# EAGLE board makey_makey_panel_v13 (EAGLE 6.5.0), part 2 of 4 (continued)
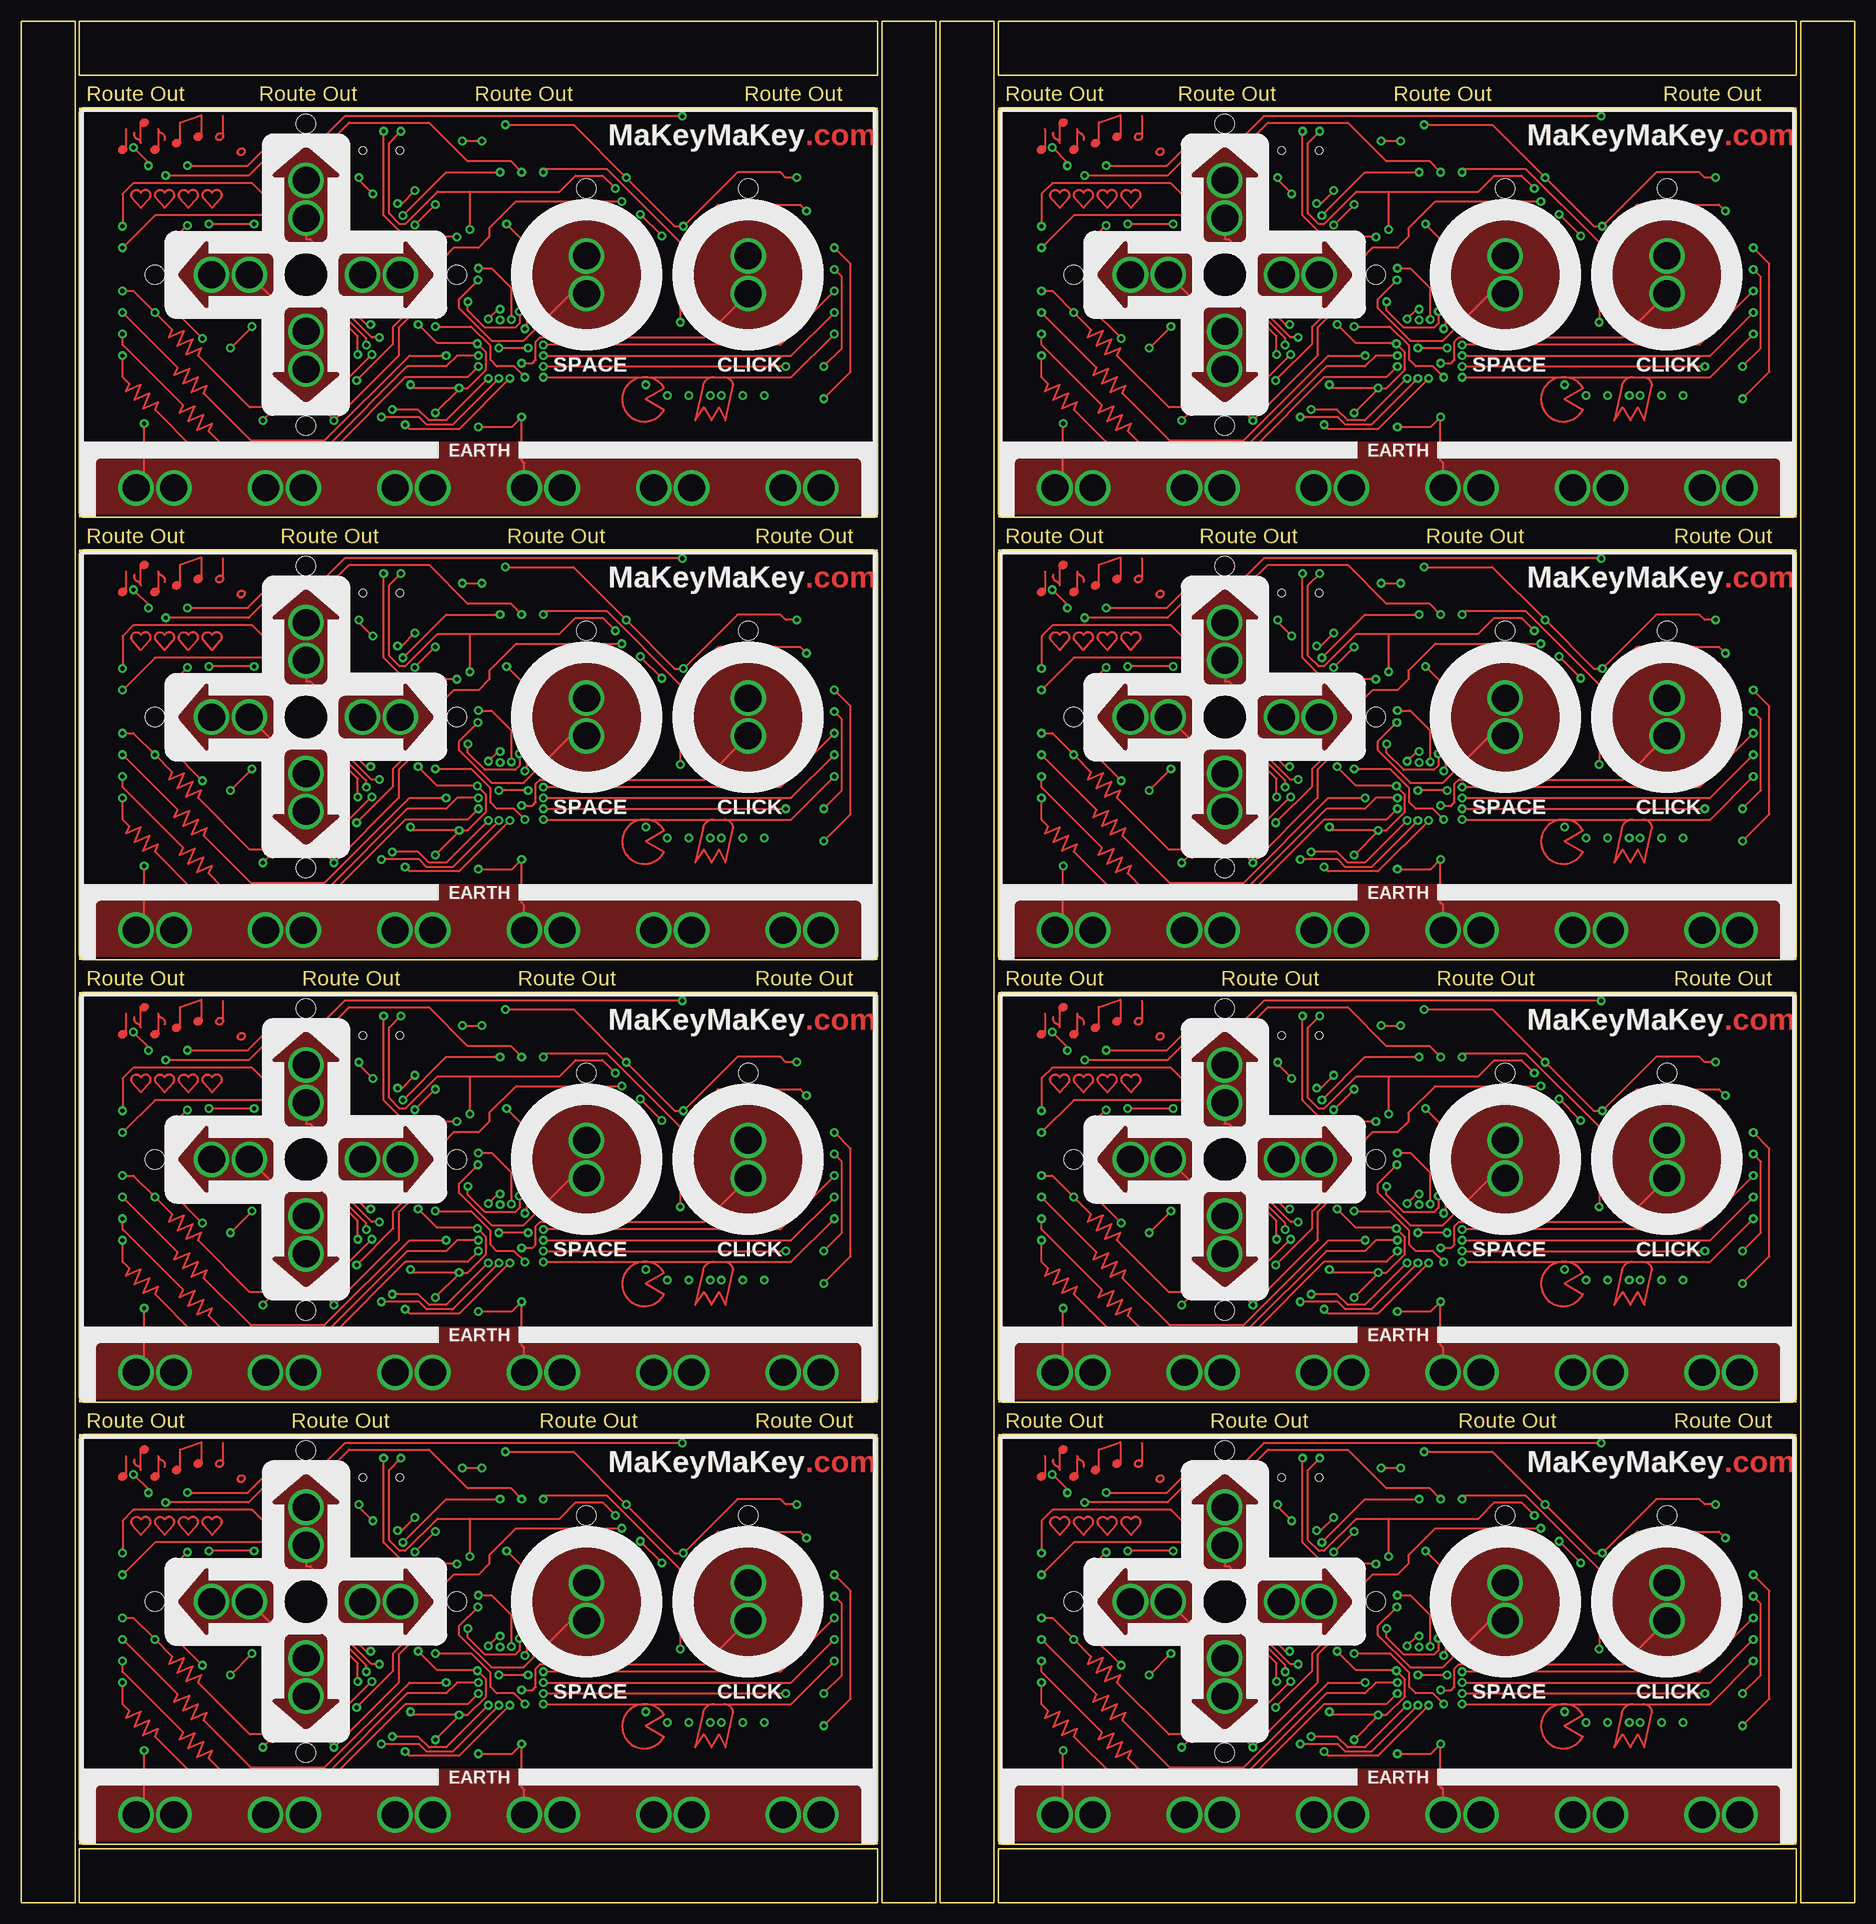
[diagram p0: board, top side]
## Tracks (layer width: path | path; a pad name or v marks a point on that pad's centre or on a via) (continued)
D29  (via drill 0.51)
  Top 0.254: v17.02,99.19 26.8,99.19 30.61,103 36.2,103 38.61,105.41 48.01,105.41 52.58,100.84 57.66,100.84 v58.93,99.57
  Bottom 0.254: U2.8 59.26,86.18 59.56,86.49 59.56,95.12 58.93,95.76 v58.93,99.57 58.93,102.11 59.44,102.62 60.83,102.62 60.95,102.73 LED21.C | LED19.C 11.19,95.01 11.94,95.76 13.59,95.76 v17.02,99.19
D30  (via drill 0.51)
  Top 0.254: v39.62,78.11 39.62,80.26 35.69,84.2 30.16,84.2 LEFT1.1@0
  Bottom 0.254: U2.32 54.46,72.49 54.23,72.26 45.47,72.26 v39.62,78.11 | R37.1 28.77,85.6 LEFT1.1@0
  pour Top (no thermals): 22.1,84.96 28.9,84.96 arc90 29.72,85.78 29.72,89.23 arc90 28.9,90.04 22.1,90.04 22.1,91.18 arc139 21.6,91.37 18.64,87.92 arc81 18.64,87.09 21.6,83.64 arc139 22.1,83.83
D31  (via drill 0.51)
  Top 0.254: v54.99,75.31 50.04,70.36 48.01,70.36 46.74,71.63 v43.69,71.63
  Bottom 0.254: U2.30 56.06,74.24 v54.99,75.31 | R53.1 v43.69,71.63
D32  (via drill 0.51)
  Top 0.254: v56.26,75.31 50.8,69.85 47.75,69.85 46.86,70.74 v42.42,70.74
  Bottom 0.254: U2.29 56.86,74.71 v56.26,75.31 | v42.42,70.74 41.53,70.74 41.15,70.36 R52.1
D33  (via drill 0.51)
  Top 0.254: v57.53,75.31 51.56,69.34 45.72,69.34 v45.21,69.85
  Bottom 0.254: U2.28 57.66,75.18 v57.53,75.31 | v45.21,69.85 45.21,71.63 40.45,76.39 DOWN1.1@2 | DOWN1.1@0 33.53,81.79 36.07,84.33 36.07,85.56 R36.1
  pour Top (no thermals): 36.07,76.07 36.07,82.88 arc90 35.25,83.69 31.8,83.69 arc90 30.99,82.88 30.99,76.07 29.85,76.07 arc139 29.67,75.57 33.11,72.62 arc81 33.94,72.62 37.39,75.57 arc139 37.21,76.07
D34  (via drill 0.51)
  Top 0.254: v58.93,77.09 60.2,77.09 60.58,77.47 60.58,79.63 61.09,80.14 80.45,80.14 CLICK1.1@0
  Bottom 0.254: U2.27 58.46,76.62 v58.93,77.09 | CLICK1.1@0 82.11,85.28 81.79,85.6 R33.1
  pour Top (no thermals): 79.25,87.5 arc-90 85.6,93.85 arc-90 91.95,87.5 arc-90 85.6,81.15 arc-90
D35  (via drill 0.51)
  Top 0.254: v94.49,72.9 97.66,76.07 97.66,88.77 v95.76,90.68
  Bottom 0.254: v94.49,72.9 90.68,69.09 57.15,69.09 56.39,69.85 56.39,71.63 55.26,72.76 U2.31 | 95.76,91.95 JP25.1-2 90.68,91.95 90.26,91.53 R51.1 | 95.76,91.95 JP25.1 | v95.76,90.68 95.76,91.95
D36
  Bottom 0.203: JP39.5 60.07,153.29
  Bottom 0.254: JP39.5 JP39.5-2 60.2,147.45 60.86,146.79 U3.10
D37
  Bottom 0.254: JP39.6 JP39.6-2 | JP39.6 62.74,152.91 | U3.11 61.66,146.75 62.74,147.83 JP39.6
D38  (via drill 0.51)
  Top 0.254: v58.67,135.25 58.67,133.86 58.17,133.35 54.61,133.35 52.58,135.38 v52.58,136.4 | v48.77,147.83 v46.35,145.41
  Bottom 0.254: U3.9 60.06,135.88 59.44,135.25 v58.67,135.25 | v52.58,136.4 51.94,136.4 51.69,136.65 47.56,136.65 RIGHT2.1@0 46.35,141.29 v46.35,145.41 | JP39.1 JP39.1-2 50.04,149.1 v48.77,147.83 | RIGHT2.1@2 36.7,139.57 36.07,140.21 36.07,141.44 R64.1
  pour Top (no thermals): 44.96,142.11 38.15,142.11 arc90 37.34,141.3 37.34,137.85 arc90 38.15,137.03 44.96,137.03 44.96,135.9 arc139 45.46,135.71 48.41,139.16 arc81 48.41,139.99 45.46,143.44 arc139 44.96,143.25
D39  (via drill 0.51)
  Top 0.254: v61.47,128.78 v90.04,128.78
  Bottom 0.254: U3.20 61.61,128.92 v61.47,128.78 | JP38.6-2 JP38.6 90.68,131.32 90.26,130.9 R73.1 90.26,128.99 v90.04,128.78
D40  (via drill 0.51)
  Top 0.254: 82.8,127.51 90.68,127.51 v95.76,132.59 | 81.53,127.51 arc77 80.26,126.49 79.38,122.43 80.39,123.95 81.28,122.43 82.17,123.95 82.93,122.43 83.82,126.49 arc90 82.8,127.51 | v61.47,127.51 73.41,127.51 | 73.41,127.51 73.53,127.51 | 73.53,127.51 82.8,127.51 | 73.41,127.51 arc243 75.69,123.7 73.53,124.97 75.69,126.24 arc60 73.53,127.51
  Bottom 0.254: U3.21 62.08,128.12 v61.47,127.51 | JP38.5 95.76,133.86 | 95.76,133.86 JP38.5-2 90.68,133.86 90.26,133.44 R72.1 | v95.76,132.59 95.76,133.86
D41  (via drill 0.51)
  Top 0.254: v61.47,130.05 90.68,130.05 v95.76,135.13
  Bottom 0.254: U3.19 61.8,129.72 v61.47,130.05 | v95.76,135.13 95.76,136.4 | 95.76,136.4 JP38.4-2 | 95.76,136.4 JP38.4 90.68,136.4 90.26,135.98 R71.1
D42  (via drill 0.51)
  Top 0.254: v95.76,137.67 89.41,131.32 v61.47,131.32
  Bottom 0.254: U3.18 62.27,130.52 v61.47,131.32 | 95.76,138.94 JP38.3-2 90.68,138.94 90.26,138.52 R70.1 | 95.76,138.94 JP38.3 | v95.76,137.67 95.76,138.94
D43  (via drill 0.51)
  Top 0.254: v94.49,128.78 96.65,130.94 96.65,139.32 v95.76,140.21
  Bottom 0.254: 95.76,141.48 JP38.2 90.68,141.48 90.26,141.06 R69.1 | 95.76,141.48 JP38.2-2 | v94.49,128.78 88.14,122.43 62.61,122.43 60.83,124.21 60.43,124.21 60.06,124.57 U3.25 | v95.76,140.21 95.76,141.48
D44  (via drill 0.51)
  Top 0.254: v53.78,138.94 51.56,136.72 51.56,135.64 55.37,131.83 59.18,131.83 64.71,137.35 SPACE2.1@0
  Bottom 0.254: U3.1 53.66,138.81 v53.78,138.94 | SPACE2.1@0 70.04,137.35 70.36,137.67 R63.1
  pour Top (no thermals): 60.2,139.57 arc-90 66.55,145.92 arc-90 72.9,139.57 arc-90 66.55,133.22 arc-90
D45  (via drill 0.51)
  Top 0.254: v57.72,134.3 57.72,137.99 55.37,140.34 v53.85,140.34
  Bottom 0.254: U3.12 60.39,135.32 59.37,134.3 v57.72,134.3 | v53.85,140.34 R83.1
D46  (via drill 0.51)
  Top 0.254: v59.31,127.51 58.04,128.78 56.01,128.78 55.24,129.54 55.24,131.19 52.96,133.48 v48.77,133.48 | v41.15,133.73 40.64,133.73 36.96,137.41 36.96,140.84 34.04,143.76 33.53,143.76 UP2.1@2
  Bottom 0.254: U3.26 59.26,127.46 v59.31,127.51 | v48.77,133.48 48.01,132.72 44.45,132.72 43.43,133.73 v41.15,133.73 | UP2.1@2 33.53,145.29 30.99,142.75 30.99,141.52 R67.1
  pour Top (no thermals): 30.99,151 30.99,144.2 arc90 31.8,143.38 35.25,143.38 arc90 36.07,144.2 36.07,151 37.21,151 arc139 37.39,151.5 33.94,154.46 arc81 33.11,154.46 29.67,151.5 arc139 29.85,151
D47  (via drill 0.51)
  Top 0.254: v17.02,151.26 26.8,151.26 30.61,155.07 36.2,155.07 38.61,157.48 48.01,157.48 52.58,152.91 57.66,152.91 v58.93,151.64
  Bottom 0.254: U3.8 59.26,138.25 59.56,138.56 59.56,147.19 58.93,147.83 v58.93,151.64 58.93,154.18 59.44,154.69 60.83,154.69 60.95,154.8 LED32.C | LED30.C 11.19,147.08 11.94,147.83 13.59,147.83 v17.02,151.26
D48  (via drill 0.51)
  Top 0.254: v39.62,130.18 39.62,132.33 35.69,136.27 30.16,136.27 LEFT2.1@0
  Bottom 0.254: U3.32 54.46,124.56 54.23,124.33 45.47,124.33 v39.62,130.18 | R66.1 28.77,137.67 LEFT2.1@0
  pour Top (no thermals): 22.1,137.03 28.9,137.03 arc90 29.72,137.85 29.72,141.3 arc90 28.9,142.11 22.1,142.11 22.1,143.25 arc139 21.6,143.44 18.64,139.99 arc81 18.64,139.16 21.6,135.71 arc139 22.1,135.9
D49  (via drill 0.51)
  Top 0.254: v54.99,127.38 50.04,122.43 48.01,122.43 46.74,123.7 v43.69,123.7
  Bottom 0.254: U3.30 56.06,126.31 v54.99,127.38 | R82.1 v43.69,123.7
D50  (via drill 0.51)
  Top 0.254: v56.26,127.38 50.8,121.92 47.75,121.92 46.86,122.81 v42.42,122.81
  Bottom 0.254: U3.29 56.86,126.78 v56.26,127.38 | v42.42,122.81 41.53,122.81 41.15,122.43 R81.1
D51  (via drill 0.51)
  Top 0.254: v57.53,127.38 51.56,121.41 45.72,121.41 v45.21,121.92
  Bottom 0.254: U3.28 57.66,127.25 v57.53,127.38 | v45.21,121.92 45.21,123.7 40.45,128.46 DOWN2.1@2 | DOWN2.1@0 33.53,133.86 36.07,136.4 36.07,137.63 R65.1
  pour Top (no thermals): 36.07,128.14 36.07,134.95 arc90 35.25,135.76 31.8,135.76 arc90 30.99,134.95 30.99,128.14 29.85,128.14 arc139 29.67,127.64 33.11,124.69 arc81 33.94,124.69 37.39,127.64 arc139 37.21,128.14
D52  (via drill 0.51)
  Top 0.254: v58.93,129.16 60.2,129.16 60.58,129.54 60.58,131.7 61.09,132.21 80.45,132.21 CLICK2.1@0
  Bottom 0.254: U3.27 58.46,128.69 v58.93,129.16 | CLICK2.1@0 82.11,137.35 81.79,137.67 R62.1
  pour Top (no thermals): 79.25,139.57 arc-90 85.6,145.92 arc-90 91.95,139.57 arc-90 85.6,133.22 arc-90
D53  (via drill 0.51)
  Top 0.254: v94.49,124.97 97.66,128.14 97.66,140.84 v95.76,142.75
  Bottom 0.254: v94.49,124.97 90.68,121.16 57.15,121.16 56.39,121.92 56.39,123.7 55.26,124.83 U3.31 | 95.76,144.02 JP38.1-2 90.68,144.02 90.26,143.6 R80.1 | 95.76,144.02 JP38.1 | v95.76,142.75 95.76,144.02
D54
  Bottom 0.203: JP52.5 60.07,205.36
  Bottom 0.254: JP52.5 JP52.5-2 60.2,199.52 60.86,198.86 U4.10
D55
  Bottom 0.254: JP52.6 JP52.6-2 | JP52.6 62.74,204.98 | U4.11 61.66,198.82 62.74,199.9 JP52.6
D56  (via drill 0.51)
  Top 0.254: v58.67,187.32 58.67,185.93 58.17,185.42 54.61,185.42 52.58,187.45 v52.58,188.47 | v48.77,199.9 v46.35,197.49
  Bottom 0.254: U4.9 60.06,187.95 59.44,187.32 v58.67,187.32 | v52.58,188.47 51.94,188.47 51.69,188.72 47.56,188.72 RIGHT3.1@0 46.35,193.36 v46.35,197.49 | JP52.1 JP52.1-2 50.04,201.17 v48.77,199.9 | RIGHT3.1@2 36.7,191.64 36.07,192.28 36.07,193.51 R93.1
  pour Top (no thermals): 44.96,194.18 38.15,194.18 arc90 37.34,193.37 37.34,189.92 arc90 38.15,189.1 44.96,189.1 44.96,187.97 arc139 45.46,187.78 48.41,191.23 arc81 48.41,192.06 45.46,195.51 arc139 44.96,195.32
D57  (via drill 0.51)
  Top 0.254: v61.47,180.85 v90.04,180.85
  Bottom 0.254: U4.20 61.61,180.99 v61.47,180.85 | JP51.6-2 JP51.6 90.68,183.39 90.26,182.97 R102.1 90.26,181.06 v90.04,180.85
D58  (via drill 0.51)
  Top 0.254: 82.8,179.58 90.68,179.58 v95.76,184.66 | 81.53,179.58 arc77 80.26,178.56 79.38,174.5 80.39,176.02 81.28,174.5 82.17,176.02 82.93,174.5 83.82,178.56 arc90 82.8,179.58 | v61.47,179.58 73.41,179.58 | 73.41,179.58 73.53,179.58 | 73.53,179.58 82.8,179.58 | 73.41,179.58 arc243 75.69,175.77 73.53,177.04 75.69,178.31 arc60 73.53,179.58
  Bottom 0.254: U4.21 62.08,180.19 v61.47,179.58 | JP51.5 95.76,185.93 | 95.76,185.93 JP51.5-2 90.68,185.93 90.26,185.51 R101.1 | v95.76,184.66 95.76,185.93
D59  (via drill 0.51)
  Top 0.254: v61.47,182.12 90.68,182.12 v95.76,187.2
  Bottom 0.254: U4.19 61.8,181.79 v61.47,182.12 | v95.76,187.2 95.76,188.47 | 95.76,188.47 JP51.4-2 | 95.76,188.47 JP51.4 90.68,188.47 90.26,188.05 R100.1
D60  (via drill 0.51)
  Top 0.254: v95.76,189.74 89.41,183.39 v61.47,183.39
  Bottom 0.254: U4.18 62.27,182.59 v61.47,183.39 | 95.76,191.01 JP51.3-2 90.68,191.01 90.26,190.59 R99.1 | 95.76,191.01 JP51.3 | v95.76,189.74 95.76,191.01
D61  (via drill 0.51)
  Top 0.254: v94.49,180.85 96.65,183.01 96.65,191.39 v95.76,192.28
  Bottom 0.254: 95.76,193.55 JP51.2 90.68,193.55 90.26,193.13 R98.1 | 95.76,193.55 JP51.2-2 | v94.49,180.85 88.14,174.5 62.61,174.5 60.83,176.28 60.43,176.28 60.06,176.64 U4.25 | v95.76,192.28 95.76,193.55
D62  (via drill 0.51)
  Top 0.254: v53.78,191.01 51.56,188.78 51.56,187.71 55.37,183.9 59.18,183.9 64.71,189.42 SPACE3.1@0
  Bottom 0.254: U4.1 53.66,190.88 v53.78,191.01 | SPACE3.1@0 70.04,189.42 70.36,189.74 R92.1
  pour Top (no thermals): 60.2,191.64 arc-90 66.55,197.99 arc-90 72.9,191.64 arc-90 66.55,185.29 arc-90
D63  (via drill 0.51)
  Top 0.254: v57.72,186.37 57.72,190.06 55.37,192.41 v53.85,192.41
  Bottom 0.254: U4.12 60.39,187.39 59.37,186.37 v57.72,186.37 | v53.85,192.41 R112.1
D64  (via drill 0.51)
  Top 0.254: v59.31,179.58 58.04,180.85 56.01,180.85 55.24,181.61 55.24,183.26 52.96,185.55 v48.77,185.55 | v41.15,185.8 40.64,185.8 36.96,189.48 36.96,192.91 34.04,195.83 33.53,195.83 UP3.1@2
  Bottom 0.254: U4.26 59.26,179.53 v59.31,179.58 | v48.77,185.55 48.01,184.78 44.45,184.78 43.43,185.8 v41.15,185.8 | UP3.1@2 33.53,197.36 30.99,194.82 30.99,193.59 R96.1
  pour Top (no thermals): 30.99,203.07 30.99,196.27 arc90 31.8,195.45 35.25,195.45 arc90 36.07,196.27 36.07,203.07 37.21,203.07 arc139 37.39,203.57 33.94,206.53 arc81 33.11,206.53 29.67,203.57 arc139 29.85,203.07
D65  (via drill 0.51)
  Top 0.254: v17.02,203.33 26.8,203.33 30.61,207.14 36.2,207.14 38.61,209.55 48.01,209.55 52.58,204.98 57.66,204.98 v58.93,203.71
  Bottom 0.254: U4.8 59.26,190.32 59.56,190.63 59.56,199.26 58.93,199.9 v58.93,203.71 58.93,206.25 59.44,206.76 60.83,206.76 60.95,206.87 LED43.C | LED41.C 11.19,199.15 11.94,199.9 13.59,199.9 v17.02,203.33
D66  (via drill 0.51)
  Top 0.254: v39.62,182.25 39.62,184.4 35.69,188.34 30.16,188.34 LEFT3.1@0
  Bottom 0.254: U4.32 54.46,176.63 54.23,176.4 45.47,176.4 v39.62,182.25 | R95.1 28.77,189.74 LEFT3.1@0
  pour Top (no thermals): 22.1,189.1 28.9,189.1 arc90 29.72,189.92 29.72,193.37 arc90 28.9,194.18 22.1,194.18 22.1,195.32 arc139 21.6,195.51 18.64,192.06 arc81 18.64,191.23 21.6,187.78 arc139 22.1,187.97
D67  (via drill 0.51)
  Top 0.254: v54.99,179.45 50.04,174.5 48.01,174.5 46.74,175.77 v43.69,175.77
  Bottom 0.254: U4.30 56.06,178.38 v54.99,179.45 | R111.1 v43.69,175.77
D68  (via drill 0.51)
  Top 0.254: v56.26,179.45 50.8,173.99 47.75,173.99 46.86,174.88 v42.42,174.88
  Bottom 0.254: U4.29 56.86,178.85 v56.26,179.45 | v42.42,174.88 41.53,174.88 41.15,174.5 R110.1
D69  (via drill 0.51)
  Top 0.254: v57.53,179.45 51.56,173.48 45.72,173.48 v45.21,173.99
  Bottom 0.254: U4.28 57.66,179.32 v57.53,179.45 | v45.21,173.99 45.21,175.77 40.45,180.53 DOWN3.1@2 | DOWN3.1@0 33.53,185.93 36.07,188.47 36.07,189.7 R94.1
  pour Top (no thermals): 36.07,180.21 36.07,187.02 arc90 35.25,187.83 31.8,187.83 arc90 30.99,187.02 30.99,180.21 29.85,180.21 arc139 29.67,179.71 33.11,176.76 arc81 33.94,176.76 37.39,179.71 arc139 37.21,180.21
D70  (via drill 0.51)
  Top 0.254: v58.93,181.23 60.2,181.23 60.58,181.61 60.58,183.77 61.09,184.28 80.45,184.28 CLICK3.1@0
  Bottom 0.254: U4.27 58.46,180.76 v58.93,181.23 | CLICK3.1@0 82.11,189.42 81.79,189.74 R91.1
  pour Top (no thermals): 79.25,191.64 arc-90 85.6,197.99 arc-90 91.95,191.64 arc-90 85.6,185.29 arc-90
D71  (via drill 0.51)
  Top 0.254: v94.49,177.04 97.66,180.21 97.66,192.91 v95.76,194.82
  Bottom 0.254: v94.49,177.04 90.68,173.23 57.15,173.23 56.39,173.99 56.39,175.77 55.26,176.9 U4.31 | 95.76,196.09 JP51.1-2 90.68,196.09 90.26,195.67 R109.1 | 95.76,196.09 JP51.1 | v95.76,194.82 95.76,196.09
D72
  Bottom 0.203: JP65.5 168.28,49.15
  Bottom 0.254: JP65.5 JP65.5-2 168.4,43.31 169.06,42.65 U5.10
D73
  Bottom 0.254: JP65.6 JP65.6-2 | JP65.6 170.94,48.77 | U5.11 169.86,42.61 170.94,43.69 JP65.6
D74  (via drill 0.51)
  Top 0.254: v166.88,31.11 166.88,29.72 166.37,29.21 162.81,29.21 160.78,31.24 v160.78,32.26 | v156.97,43.69 v154.56,41.27
  Bottom 0.254: U5.9 168.26,31.74 167.64,31.11 v166.88,31.11 | v160.78,32.26 160.15,32.26 159.89,32.51 155.77,32.51 RIGHT4.1@0 154.56,37.15 v154.56,41.27 | JP65.1 JP65.1-2 158.24,44.96 v156.97,43.69 | RIGHT4.1@2 144.91,35.43 144.27,36.07 144.27,37.3 R122.1
  pour Top (no thermals): 153.16,37.97 146.36,37.97 arc90 145.54,37.16 145.54,33.71 arc90 146.36,32.89 153.16,32.89 153.16,31.76 arc139 153.66,31.57 156.62,35.02 arc81 156.62,35.85 153.66,39.3 arc139 153.16,39.11
D75  (via drill 0.51)
  Top 0.254: v169.67,24.64 v198.25,24.64
  Bottom 0.254: U5.20 169.81,24.78 v169.67,24.64 | JP64.6-2 JP64.6 198.88,27.18 198.46,26.76 R131.1 198.46,24.85 v198.25,24.64
D76  (via drill 0.51)
  Top 0.254: 191.01,23.37 198.88,23.37 v203.96,28.45 | 189.74,23.37 arc77 188.47,22.35 187.58,18.29 188.59,19.81 189.48,18.29 190.37,19.81 191.13,18.29 192.02,22.35 arc90 191.01,23.37 | v169.67,23.37 181.61,23.37 | 181.61,23.37 181.74,23.37 | 181.74,23.37 191.01,23.37 | 181.61,23.37 arc243 183.9,19.56 181.74,20.83 183.9,22.1 arc60 181.74,23.37
  Bottom 0.254: U5.21 170.28,23.98 v169.67,23.37 | JP64.5 203.96,29.72 | 203.96,29.72 JP64.5-2 198.88,29.72 198.46,29.3 R130.1 | v203.96,28.45 203.96,29.72
D77  (via drill 0.51)
  Top 0.254: v169.67,25.91 198.88,25.91 v203.96,30.99
  Bottom 0.254: U5.19 170,25.58 v169.67,25.91 | v203.96,30.99 203.96,32.26 | 203.96,32.26 JP64.4-2 | 203.96,32.26 JP64.4 198.88,32.26 198.46,31.84 R129.1
D78  (via drill 0.51)
  Top 0.254: v203.96,33.53 197.61,27.18 v169.67,27.18
  Bottom 0.254: U5.18 170.47,26.38 v169.67,27.18 | 203.96,34.8 JP64.3-2 198.88,34.8 198.46,34.38 R128.1 | 203.96,34.8 JP64.3 | v203.96,33.53 203.96,34.8
D79  (via drill 0.51)
  Top 0.254: v202.69,24.64 204.85,26.8 204.85,35.18 v203.96,36.07
  Bottom 0.254: 203.96,37.34 JP64.2 198.88,37.34 198.46,36.92 R127.1 | 203.96,37.34 JP64.2-2 | v202.69,24.64 196.34,18.29 170.81,18.29 169.04,20.07 168.63,20.07 168.26,20.43 U5.25 | v203.96,36.07 203.96,37.34
D80  (via drill 0.51)
  Top 0.254: v161.99,34.8 159.77,32.58 159.77,31.5 163.58,27.69 167.39,27.69 172.91,33.21 SPACE4.1@0
  Bottom 0.254: U5.1 161.86,34.67 v161.99,34.8 | SPACE4.1@0 178.24,33.21 178.56,33.53 R121.1
  pour Top (no thermals): 168.4,35.43 arc-90 174.75,41.78 arc-90 181.1,35.43 arc-90 174.75,29.08 arc-90
D81  (via drill 0.51)
  Top 0.254: v165.93,30.16 165.93,33.84 163.58,36.2 v162.05,36.2
  Bottom 0.254: U5.12 168.59,31.18 167.58,30.16 v165.93,30.16 | v162.05,36.2 R141.1
D82  (via drill 0.51)
  Top 0.254: v167.51,23.37 166.24,24.64 164.21,24.64 163.45,25.4 163.45,27.05 161.16,29.34 v156.97,29.34 | v149.35,29.59 148.84,29.59 145.16,33.27 145.16,36.7 142.24,39.62 141.73,39.62 UP4.1@2
  Bottom 0.254: U5.26 167.46,23.32 v167.51,23.37 | v156.97,29.34 156.21,28.57 152.65,28.57 151.64,29.59 v149.35,29.59 | UP4.1@2 141.73,41.15 139.19,38.61 139.19,37.38 R125.1
  pour Top (no thermals): 139.19,46.86 139.19,40.06 arc90 140.01,39.24 143.46,39.24 arc90 144.27,40.06 144.27,46.86 145.41,46.86 arc139 145.59,47.36 142.15,50.32 arc81 141.32,50.32 137.87,47.36 arc139 138.05,46.86
D83  (via drill 0.51)
  Top 0.254: v125.22,47.12 135,47.12 138.81,50.93 144.4,50.93 146.81,53.34 156.21,53.34 160.78,48.77 165.86,48.77 v167.13,47.5
  Bottom 0.254: U5.8 167.46,34.11 167.77,34.42 167.77,43.05 167.13,43.69 v167.13,47.5 167.13,50.04 167.64,50.55 169.04,50.55 169.15,50.66 LED54.C | LED52.C 119.39,42.94 120.14,43.69 121.79,43.69 v125.22,47.12
D84  (via drill 0.51)
  Top 0.254: v147.83,26.04 147.83,28.19 143.89,32.13 138.37,32.13 LEFT4.1@0
  Bottom 0.254: U5.32 162.66,20.42 162.43,20.19 153.67,20.19 v147.83,26.04 | R124.1 136.97,33.53 LEFT4.1@0
  pour Top (no thermals): 130.3,32.89 137.11,32.89 arc90 137.92,33.71 137.92,37.16 arc90 137.11,37.97 130.3,37.97 130.3,39.11 arc139 129.8,39.3 126.85,35.85 arc81 126.85,35.02 129.8,31.57 arc139 130.3,31.76
D85  (via drill 0.51)
  Top 0.254: v163.19,23.24 158.24,18.29 156.21,18.29 154.94,19.56 v151.89,19.56
  Bottom 0.254: U5.30 164.26,22.17 v163.19,23.24 | R140.1 v151.89,19.56
D86  (via drill 0.51)
  Top 0.254: v164.47,23.24 159,17.78 155.96,17.78 155.07,18.67 v150.62,18.67
  Bottom 0.254: U5.29 165.06,22.64 v164.47,23.24 | v150.62,18.67 149.73,18.67 149.35,18.29 R139.1
D87  (via drill 0.51)
  Top 0.254: v165.74,23.24 159.77,17.27 153.92,17.27 v153.42,17.78
  Bottom 0.254: U5.28 165.86,23.11 v165.74,23.24 | v153.42,17.78 153.42,19.56 148.65,24.32 DOWN4.1@2 | DOWN4.1@0 141.73,29.72 144.27,32.26 144.27,33.49 R123.1
  pour Top (no thermals): 144.27,24 144.27,30.81 arc90 143.46,31.62 140.01,31.62 arc90 139.19,30.81 139.19,24 138.05,24 arc139 137.87,23.5 141.32,20.55 arc81 142.15,20.55 145.59,23.5 arc139 145.41,24
D88  (via drill 0.51)
  Top 0.254: v167.13,25.02 168.4,25.02 168.78,25.4 168.78,27.56 169.29,28.07 188.66,28.07 CLICK4.1@0
  Bottom 0.254: U5.27 166.66,24.55 v167.13,25.02 | CLICK4.1@0 190.31,33.21 189.99,33.53 R120.1
  pour Top (no thermals): 187.45,35.43 arc-90 193.8,41.78 arc-90 200.15,35.43 arc-90 193.8,29.08 arc-90
D89  (via drill 0.51)
  Top 0.254: v202.69,20.83 205.87,24 205.87,36.7 v203.96,38.61
  Bottom 0.254: v202.69,20.83 198.88,17.02 165.35,17.02 164.59,17.78 164.59,19.56 163.46,20.69 U5.31 | 203.96,39.88 JP64.1-2 198.88,39.88 198.46,39.46 R138.1 | 203.96,39.88 JP64.1 | v203.96,38.61 203.96,39.88
D90
  Bottom 0.203: JP78.5 168.28,101.22
  Bottom 0.254: JP78.5 JP78.5-2 168.4,95.38 169.06,94.72 U6.10
D91
  Bottom 0.254: JP78.6 JP78.6-2 | JP78.6 170.94,100.84 | U6.11 169.86,94.68 170.94,95.76 JP78.6
D92  (via drill 0.51)
  Top 0.254: v166.88,83.19 166.88,81.79 166.37,81.28 162.81,81.28 160.78,83.31 v160.78,84.33 | v156.97,95.76 v154.56,93.34
  Bottom 0.254: U6.9 168.26,83.81 167.64,83.19 v166.88,83.19 | v160.78,84.33 160.15,84.33 159.89,84.58 155.77,84.58 RIGHT5.1@0 154.56,89.22 v154.56,93.34 | JP78.1 JP78.1-2 158.24,97.03 v156.97,95.76 | RIGHT5.1@2 144.91,87.5 144.27,88.14 144.27,89.37 R151.1
  pour Top (no thermals): 153.16,90.04 146.36,90.04 arc90 145.54,89.23 145.54,85.78 arc90 146.36,84.96 153.16,84.96 153.16,83.83 arc139 153.66,83.64 156.62,87.09 arc81 156.62,87.92 153.66,91.37 arc139 153.16,91.18
D93  (via drill 0.51)
  Top 0.254: v169.67,76.71 v198.25,76.71
  Bottom 0.254: U6.20 169.81,76.85 v169.67,76.71 | JP77.6-2 JP77.6 198.88,79.25 198.46,78.83 R160.1 198.46,76.92 v198.25,76.71
D94  (via drill 0.51)
  Top 0.254: 191.01,75.44 198.88,75.44 v203.96,80.52 | 189.74,75.44 arc77 188.47,74.42 187.58,70.36 188.59,71.88 189.48,70.36 190.37,71.88 191.13,70.36 192.02,74.42 arc90 191.01,75.44 | v169.67,75.44 181.61,75.44 | 181.61,75.44 181.74,75.44 | 181.74,75.44 191.01,75.44 | 181.61,75.44 arc243 183.9,71.63 181.74,72.9 183.9,74.17 arc60 181.74,75.44
  Bottom 0.254: U6.21 170.28,76.05 v169.67,75.44 | JP77.5 203.96,81.79 | 203.96,81.79 JP77.5-2 198.88,81.79 198.46,81.37 R159.1 | v203.96,80.52 203.96,81.79
D95  (via drill 0.51)
  Top 0.254: v169.67,77.98 198.88,77.98 v203.96,83.06
  Bottom 0.254: U6.19 170,77.65 v169.67,77.98 | v203.96,83.06 203.96,84.33 | 203.96,84.33 JP77.4-2 | 203.96,84.33 JP77.4 198.88,84.33 198.46,83.91 R158.1
D96  (via drill 0.51)
  Top 0.254: v203.96,85.6 197.61,79.25 v169.67,79.25
  Bottom 0.254: U6.18 170.47,78.45 v169.67,79.25 | 203.96,86.87 JP77.3-2 198.88,86.87 198.46,86.45 R157.1 | 203.96,86.87 JP77.3 | v203.96,85.6 203.96,86.87
D97  (via drill 0.51)
  Top 0.254: v202.69,76.71 204.85,78.87 204.85,87.25 v203.96,88.14
  Bottom 0.254: 203.96,89.41 JP77.2 198.88,89.41 198.46,88.99 R156.1 | 203.96,89.41 JP77.2-2 | v202.69,76.71 196.34,70.36 170.81,70.36 169.04,72.14 168.63,72.14 168.26,72.5 U6.25 | v203.96,88.14 203.96,89.41
D98  (via drill 0.51)
  Top 0.254: v161.99,86.87 159.77,84.64 159.77,83.57 163.58,79.76 167.39,79.76 172.91,85.28 SPACE5.1@0
  Bottom 0.254: U6.1 161.86,86.74 v161.99,86.87 | SPACE5.1@0 178.24,85.28 178.56,85.6 R150.1
  pour Top (no thermals): 168.4,87.5 arc-90 174.75,93.85 arc-90 181.1,87.5 arc-90 174.75,81.15 arc-90
D99  (via drill 0.51)
  Top 0.254: v165.93,82.23 165.93,85.92 163.58,88.27 v162.05,88.27
  Bottom 0.254: U6.12 168.59,83.25 167.58,82.23 v165.93,82.23 | v162.05,88.27 R170.1
D100  (via drill 0.51)
  Top 0.254: v167.51,75.44 166.24,76.71 164.21,76.71 163.45,77.47 163.45,79.12 161.16,81.41 v156.97,81.41 | v149.35,81.66 148.84,81.66 145.16,85.34 145.16,88.77 142.24,91.69 141.73,91.69 UP5.1@2
  Bottom 0.254: U6.26 167.46,75.39 v167.51,75.44 | v156.97,81.41 156.21,80.64 152.65,80.64 151.64,81.66 v149.35,81.66 | UP5.1@2 141.73,93.22 139.19,90.68 139.19,89.45 R154.1
  pour Top (no thermals): 139.19,98.93 139.19,92.13 arc90 140.01,91.31 143.46,91.31 arc90 144.27,92.13 144.27,98.93 145.41,98.93 arc139 145.59,99.43 142.15,102.39 arc81 141.32,102.39 137.87,99.43 arc139 138.05,98.93
D101  (via drill 0.51)
  Top 0.254: v125.22,99.19 135,99.19 138.81,103 144.4,103 146.81,105.41 156.21,105.41 160.78,100.84 165.86,100.84 v167.13,99.57
  Bottom 0.254: U6.8 167.46,86.18 167.77,86.49 167.77,95.12 167.13,95.76 v167.13,99.57 167.13,102.11 167.64,102.62 169.04,102.62 169.15,102.73 LED65.C | LED63.C 119.39,95.01 120.14,95.76 121.79,95.76 v125.22,99.19
D102  (via drill 0.51)
  Top 0.254: v147.83,78.11 147.83,80.26 143.89,84.2 138.37,84.2 LEFT5.1@0
  Bottom 0.254: U6.32 162.66,72.49 162.43,72.26 153.67,72.26 v147.83,78.11 | R153.1 136.97,85.6 LEFT5.1@0
  pour Top (no thermals): 130.3,84.96 137.11,84.96 arc90 137.92,85.78 137.92,89.23 arc90 137.11,90.04 130.3,90.04 130.3,91.18 arc139 129.8,91.37 126.85,87.92 arc81 126.85,87.09 129.8,83.64 arc139 130.3,83.83
D103  (via drill 0.51)
  Top 0.254: v163.19,75.31 158.24,70.36 156.21,70.36 154.94,71.63 v151.89,71.63
  Bottom 0.254: U6.30 164.26,74.24 v163.19,75.31 | R169.1 v151.89,71.63
D104  (via drill 0.51)
  Top 0.254: v164.47,75.31 159,69.85 155.96,69.85 155.07,70.74 v150.62,70.74
  Bottom 0.254: U6.29 165.06,74.71 v164.47,75.31 | v150.62,70.74 149.73,70.74 149.35,70.36 R168.1
D105  (via drill 0.51)
  Top 0.254: v165.74,75.31 159.77,69.34 153.92,69.34 v153.42,69.85
  Bottom 0.254: U6.28 165.86,75.18 v165.74,75.31 | v153.42,69.85 153.42,71.63 148.65,76.39 DOWN5.1@2 | DOWN5.1@0 141.73,81.79 144.27,84.33 144.27,85.56 R152.1
  pour Top (no thermals): 144.27,76.07 144.27,82.88 arc90 143.46,83.69 140.01,83.69 arc90 139.19,82.88 139.19,76.07 138.05,76.07 arc139 137.87,75.57 141.32,72.62 arc81 142.15,72.62 145.59,75.57 arc139 145.41,76.07
D106  (via drill 0.51)
  Top 0.254: v167.13,77.09 168.4,77.09 168.78,77.47 168.78,79.63 169.29,80.14 188.66,80.14 CLICK5.1@0
  Bottom 0.254: U6.27 166.66,76.62 v167.13,77.09 | CLICK5.1@0 190.31,85.28 189.99,85.6 R149.1
  pour Top (no thermals): 187.45,87.5 arc-90 193.8,93.85 arc-90 200.15,87.5 arc-90 193.8,81.15 arc-90
D107  (via drill 0.51)
  Top 0.254: v202.69,72.9 205.87,76.07 205.87,88.77 v203.96,90.68
  Bottom 0.254: v202.69,72.9 198.88,69.09 165.35,69.09 164.59,69.85 164.59,71.63 163.46,72.76 U6.31 | 203.96,91.95 JP77.1-2 198.88,91.95 198.46,91.53 R167.1 | 203.96,91.95 JP77.1 | v203.96,90.68 203.96,91.95
D108
  Bottom 0.203: JP91.5 168.28,153.29
  Bottom 0.254: JP91.5 JP91.5-2 168.4,147.45 169.06,146.79 U7.10
D109
  Bottom 0.254: JP91.6 JP91.6-2 | JP91.6 170.94,152.91 | U7.11 169.86,146.75 170.94,147.83 JP91.6
D110  (via drill 0.51)
  Top 0.254: v166.88,135.25 166.88,133.86 166.37,133.35 162.81,133.35 160.78,135.38 v160.78,136.4 | v156.97,147.83 v154.56,145.41